# Allegro board POWERBOARD_V1_11_20240516.brd (continued)
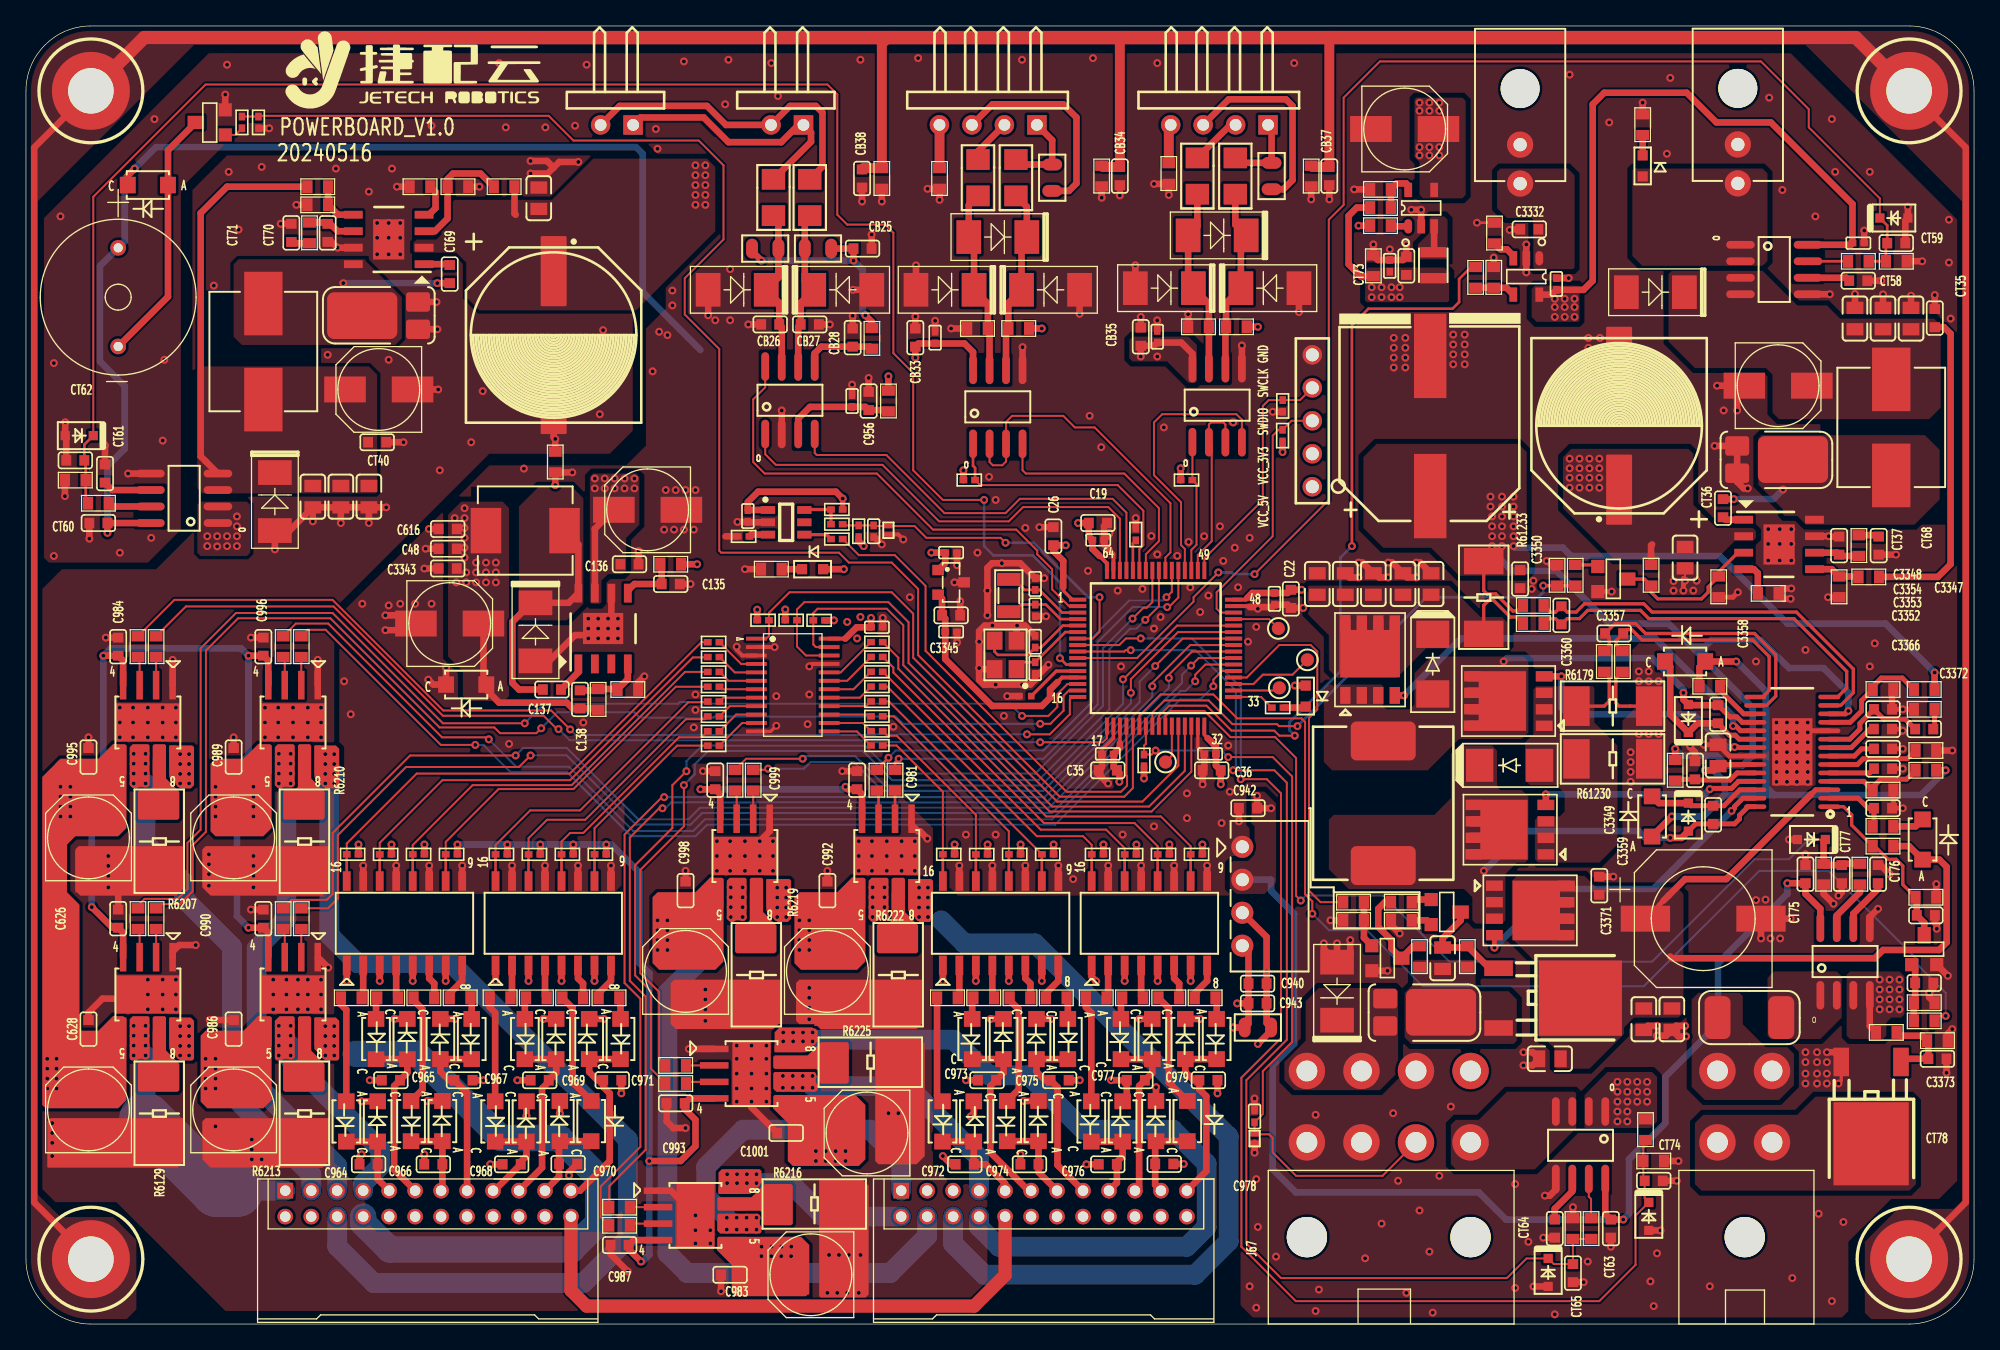
[diagram p0: board, top side]
## Routing (per net, layer and track width the routed paths; a pad name or vN(x,y) marks a point on that pad's centre or on a via; arc(x,y) is an arc through that point) (continued)
RS485_RXD1: length 10.2
  TOP w0.152: U3119.51 89.73,59.63 90.13,60.03 90.13,64.7 DT75.2 UT114.1
RS485_TXD0: length 19
  TOP w0.152: U3119.58 86.23,59.31 87.24,60.31 87.24,62.85 84.57,65.52 76.99,65.52 76.73,65.77 UT44.4
RS485_TXD1: length 21.3
  TOP w0.152: UT114.4 93.63,69.67 93.21,70.09 87.49,70.09 86.86,69.46 86.86,65.39 88.94,63.31 88.94,60.01 89.23,59.71 U3119.52
SCL: length 48.7
  TOP w0.152: U3119.29 89.23,42.62 86.48,39.87 79.02,39.87 67.96,50.93 67.96,54.06 66.41,55.61 59.93,55.61 59.37,55.05 RT172.2 59.37,52.19 60.06,51.5 UT25.22
SDA: length 46
  TOP w0.152: U3119.30 89.73,42.55 86.67,39.48 78.83,39.48 67.55,50.76 67.55,53.84 66.28,55.11 60.95,55.11 60.62,54.77 RT173.2 60.62,52.35 60.82,52.15 UT25.23
SWCLK: length 18.9
  TOP w0.152: J71.4 98.1,71.18 R61217.1 95.69,71.18 95.24,70.73 95.24,63.49 90.73,58.98 U3119.49
SWDIO: length 20.1
  TOP w0.152: J71.3 97.45,69.58 R6128.2 96.46,68.89 96,68.44 96,60.69 91.68,56.38 91.68,55.11 91.98,54.81 U3119.46
V_SYSTEM: length 15.1
  TOP w0.508: U3161.4 141.97,22.96 142.44,22.49 DT84.1 ; R807.1 125.13,59.98 125.21,60.06 ; R69.1 v1(51.68,58.53) ; 37.71,85.46 37.62,85.55 R6230.1 ; U3154.7 43.8,61.26 C611.1
  vias: v1(43.8,65.14) v1(43.8,64.38) v1(44.57,65.14) v1(44.57,64.38) v1(45.33,65.14) v1(45.33,64.38) v1(46.09,65.14) v1(46.09,64.38) v1(46.85,65.14) v1(46.85,64.38) v1(51.55,89.27) v1(51.55,88.51) v1(51.55,87.74) v1(51.55,86.98) v1(51.55,86.22) v1(52.31,89.27) v1(52.31,88.51) v1(52.31,87.74) v1(52.31,86.98) v1(52.31,86.22) v1(118.86,66.66) v1(118.86,65.93) v1(118.86,65.19) v1(118.86,64.43) v1(119.62,66.66) v1(119.62,65.93) v1(119.62,65.19) v1(119.62,64.43) v1(120.38,66.66) v1(120.38,65.93) v1(120.38,65.19) v1(120.38,64.43) v1(121.15,66.66) v1(121.15,65.93) v1(121.15,65.19) v1(121.15,64.43) v1(122.54,18.66) v1(122.54,17.89) v1(122.54,17.13) v1(122.54,16.37) v1(122.54,15.61) v1(123.31,18.66) v1(123.31,17.89) v1(123.31,17.13) v1(123.31,16.37) v1(123.31,15.61) v1(124.07,18.66) v1(124.07,17.89) v1(124.07,17.13) v1(124.83,18.66) v1(124.83,17.89) v1(124.83,17.13) v1(142.74,26.53) v1(142.74,25.77) v1(142.74,25.01) v1(142.74,24.24) v1(143.5,26.53) v1(143.5,25.77) v1(143.5,25.01) v1(143.5,24.24) v1(144.26,26.53) v1(144.26,25.77) v1(144.26,25.01) v1(144.26,24.24)
VB: length 49.7
  TOP w0.381: U3156.23 130.42,43.11 C3355.1
  TOP w0.508: R61225.2 128.85,50.6 D837.2 v1(131.69,51.04) ; v1(126.73,39.1) 125.21,37.58 D838.2 ; C3355.1 129.97,42.66 v1(129.27,42.66) ; R61226.1 v1(147.82,42.66)
  BOTTOM w0.508: 134.61,40.75 134.1,41.26 133.97,41.26 ; 134.61,40.75 133.97,40.75 ; 134.61,40.75 145.91,40.75 v1(147.82,42.66) ; 133.97,41.26 133.97,48.76 v1(131.69,51.04) ; 133.97,41.26 133.97,40.75 ; 133.97,41.26 133.47,40.75 ; v1(126.73,39.1) 129.15,39.1 130.8,40.75 ; 133.97,40.75 133.47,40.75 ; 133.47,40.75 130.8,40.75 ; 130.8,40.75 130.8,41.77 129.91,42.66 v1(129.27,42.66)
VM_12V:
  vias: v1(1.64,20.43) v1(1.64,19.67) v1(1.64,18.91) v1(1.64,18.15) v1(2.35,20.43) v1(2.35,19.67) v1(2.35,18.91) v1(2.35,18.15) v1(2.66,41.39) v1(2.66,40.63) v1(2.66,39.87) v1(2.66,39.1) v1(3.42,41.39) v1(3.42,40.63) v1(3.42,39.87) v1(3.42,39.1) v1(13.83,20.43) v1(13.83,19.67) v1(13.83,18.91) v1(13.83,18.15) v1(13.96,60.69) v1(13.96,59.93) v1(14.59,41.39) v1(14.59,40.63) v1(14.59,39.87) v1(14.59,39.1) v1(14.59,20.43) v1(14.59,19.67) v1(14.59,18.91) v1(14.59,18.15) v1(14.72,60.69) v1(14.72,59.91) v1(15.48,60.69) v1(15.48,59.93) v1(16.24,62.22) v1(16.24,61.46) v1(16.24,60.69) v1(16.24,59.93) v1(17.51,41.39) v1(17.51,40.63) v1(17.51,39.87) v1(17.51,39.1) v1(48.63,31.1) v1(48.63,30.34) v1(48.63,29.58) v1(48.63,28.82) v1(49.39,31.1) v1(49.39,30.34) v1(49.39,29.58) v1(49.39,28.82) v1(56.64,5.97) v1(56.63,5.23) v1(57.4,5.97) v1(57.39,5.23) v1(58.16,5.97) v1(58.15,5.23) v1(58.93,5.97) v1(58.92,5.23) v1(59.55,31.1) v1(59.55,30.34) v1(59.55,29.58) v1(59.55,28.82) v1(60.31,31.1) v1(60.31,30.34) v1(60.31,29.58) v1(60.31,28.82) v1(60.82,13.32) v1(60.82,12.56) v1(61.58,13.32) v1(61.58,12.56) v1(62.35,13.32) v1(62.35,12.56) v1(63.11,13.32) v1(63.11,12.56)
VM_12V_B: length 29.7
  TOP w0.508: U3132.4 13.45,66.85 13.45,85.59 15.48,87.62 R6231.1
VSYSTEM_PWR+: length 99.3
  TOP w0.254: R61231.1 114.84,54.93 114.48,54.93 113.17,56.25 112.5,56.25 112.25,56.5 R61233.1
  TOP w0.381: U3156.12 140.1,47.01 v1(140.32,47.23)
  TOP w0.508: R61223.1 v1(126.99,44.31) ; R61222.1 v1(146.97,50.19)
  BOTTOM w0.508: 129.27,52.18 129.78,52.69 133.59,52.69 135.75,50.53 138.42,50.53 140.32,48.63 v1(140.32,47.23) ; 129.27,52.18 128.77,51.68 ; 129.27,52.18 129.27,51.17 ; 129.27,52.18 128.26,52.18 ; 128.77,51.68 129.27,51.17 ; 128.77,51.68 128.26,52.18 ; 128.26,52.18 126.48,53.96 121.91,53.96 117.84,58.03 114.42,58.03 113.27,59.17 113.27,59.55 v1(112.89,59.93) ; 129.27,51.17 132.96,47.49 132.96,43.8 132.2,43.04 130.93,43.04 130.19,43.78 127.52,43.78 v1(126.99,44.31) ; v1(114.54,59.93) 114.67,59.8 118.35,59.8 118.99,59.17 130.42,59.17 135.62,53.96 143.19,53.96 v1(146.97,50.19)
  vias: v1(112.76,63.74) v1(112.76,62.98) v1(112.89,62.22) v1(112.89,61.46) v1(112.89,60.69) v1(113.65,63.74) v1(113.65,62.98) v1(113.65,62.22) v1(113.65,61.46) v1(113.65,60.69) v1(113.65,59.93) v1(114.54,63.74) v1(114.54,62.98) v1(114.54,62.22) v1(114.54,61.46) v1(114.54,60.69)
WDI: length 37.7
  TOP w0.152: U3119.20 84.73,42.27 84.78,42.21 84.78,41.48 84.32,41.01 80.13,41.01 69.27,51.87 69.27,56.87 66.9,59.23 64.13,59.23 RT84.2
N17288920: length 3.6
  TOP w0.508: U3056.5 139.05,58.15 R343.1 141.06,57.59 R342.2
N17289153: length 4.9
  TOP w0.508: CT36.2 v1(131.5,63.55)
  BOTTOM w0.508: v1(135.29,64.29) 134.56,63.55 v1(131.5,63.55)
N17497757: length 2.8
  TOP w0.508: U3056.4 133.04,58.15 133.35,57.85 R806.1
N17497846: length 1.7
  TOP w0.508: CT36.1 130.86,61.96 132.26,61.96
N17497908: length 3.5
  TOP w0.508: 137.71,59.42 139.46,59.42 CT37.1 139.71,59.17 R6228.1
N17498114: length 11.8
  TOP w0.254: 132.26,59.42 131.81,59.42 130.34,57.95 R6229.1 129.53,56.78 129.53,56.38 129.02,55.87 125.64,55.87 125.13,56.38 R807.2 124.62,57.39 Q11.3
N17582853: length 18.5
  TOP w0.508: C137.2 37.96,48.88 37.45,49.39 37.45,54.09 38.93,55.56 D832.1 41.79,55.56 U3154.8 42.53,60.06 L3.1
N17582911: length 5.2
  TOP w0.508: U3154.4 46.34,49.68 R68.1 45.5,48.92 R71.2 43.95,48.82 C138.2
N17582985: length 4.6
  TOP w0.508: U3154.5 46.34,56.5 46.85,57.01 C135.1 48.95,58.43 R69.2
N17722812: length 3.6
  TOP w0.508: U3107.7 10.02,19.26 R6129.1
N17722891: length 2.2
  TOP w0.152: U3107.2 R6130.2
N17722916: length 2.2
  TOP w0.152: R6131.2 8.75,30.3 U3107.3
N17752960: length 16.7
  TOP w0.508: v1(64.63,77.71) 65.14,77.2 DB49.2 ; R6168.2 55.91,82.65 v1(56.63,81.93) ; R6169.2 CB25.1 v1(63.72,81.93)
  BOTTOM w0.508: v1(64.63,77.71) 64.44,77.91 64.44,81.21 v1(63.72,81.93) v1(56.63,81.93)
N17752964: length 12.7
  TOP w0.508: U3118.7 58.19,76.82 CB26.1 58,78.67 UT118.1 57.94,80.61 R6168.1 57.94,85.01 UB13.1
N17753021: length 12.6
  TOP w0.508: UB14.1 59.97,85.01 R6169.1 59.97,80.36 UT119.1 59.65,78.67 CB27.1 59.46,76.82 U3118.6
N17753463: length 8.6
  TOP w0.508: U3118.3 59.46,69.75 60.37,70.65 CB24.1 64.64,70.65 C956.1 66.31,70.41 DB51.2
N17754967: length 5.7
  TOP w0.508: DB49.1 64.98,75.29 CB28.1 61.24,75.29 60.73,74.79 U3118.5
N17767690: length 3.2
  TOP w0.254: RT71.1 RT72.2 59.97,62.75 UT22.6
N17767719: length 1.5
  TOP w0.508: UT22.3 55.84,60.81 RT85.1
N17767723: length 2.2
  TOP w0.254: UT22.4 61.65,60.81 RT84.1
N17785104: length 2.4
  TOP w0.203: U3119.60 85.23,60.15 R35.1
N17785289: length 6.4
  TOP w0.203: U3119.3 79.79,54.81 78.04,56.56 C23.1 76.89,56.56 76.08,57.37 Y1.2
N17785413: length 6
  TOP w0.203: U3119.4 79.65,54.31 78.53,55.43 C25.1 76.64,55.43 76.08,54.87 Y1.1
N17785451: length 3.7
  TOP w0.152: TP37.1 95.72,54.31 U3119.45
N17785458: length 8.3
  TOP w0.203: U3119.5 79.84,53.81 78.15,52.11 C27.1 77.14,51.55 74.83,51.55 74.58,51.8 U16.3
N17785469: length 5.9
  TOP w0.203: U3119.6 80.03,53.31 C31.2 76.81,50.99 U16.1
N17785612: length 6.5
  TOP w0.152: TP35.1 97.52,50.03 95.24,50.03 94.52,49.31 U3119.35
N17785630: length 3.6
  TOP w0.152: TP34.1 96.31,48.81 U3119.34
N17785649: length 3.3
  TOP w0.152: R6243.2 95.11,48.31 U3119.33
N17785694: length 3
  TOP w0.152: U3119.27 88.23,43.78 TP38.1
N17789474: length 8.1
  TOP w0.508: D816.2 24.67,24.2 24.25,24.62 RT138.1
N17789476: length 2.5
  TOP w0.508: RT138.2 25.97,25.25 U61.2
N17789610: length 1.7
  TOP w0.508: D817.2 26.95,25.04 RT139.1
N17789612: length 2.5
  TOP w0.508: U61.4 28.51,25.27 RT139.2
N17789746: length 8.6
  TOP w0.508: D818.2 30.54,18.07 30.54,24.24 29.84,24.95 RT140.1
N17789748: length 2.7
  TOP w0.508: RT140.2 31.44,26.24 31.05,26.63 U61.6
N17789847: length 1.7
  TOP w0.508: D819.2 34.32,25.04 RT141.1
N17789849: length 2.9
  TOP w0.508: U61.8 33.59,26.43 32.63,25.48 RT141.2
N17789893: length 3.5
  TOP w0.152: RT142.1 55.07,50.85 UT25.4
N17790019: length 3.3
  TOP w0.152: RT143.1 54.58,50.2 UT25.5
N17790046: length 3.1
  TOP w0.152: RT144.1 54.08,49.55 UT25.6
N17790072: length 2.9
  TOP w0.152: UT25.7 53.59,48.9 RT145.1
N17790099: length 3
  TOP w0.152: UT25.8 53.7,48.25 RT146.1
N17790120: length 3.2
  TOP w0.152: UT25.9 54.19,47.6 RT147.1
N17790141: length 3.4
  TOP w0.152: UT25.10 54.68,46.95 RT148.1
N17790162: length 3.6
  TOP w0.152: UT25.11 55.14,46.3 RT149.1
N17790183: length 3.7
  TOP w0.152: UT25.13 63.99,45.65 RT150.1
N17790204: length 3.5
  TOP w0.152: RT151.1 64.44,46.3 UT25.14
N17790225: length 3.3
  TOP w0.152: RT152.1 64.93,46.95 UT25.15
N17790246: length 3.4
  TOP w0.152: RT153.1 64.71,47.6 UT25.16
N17790267: length 3.6
  TOP w0.152: RT154.1 64.21,48.25 UT25.17
N17790288: length 3.8
  TOP w0.152: RT155.1 63.72,48.9 UT25.18
N17790313: length 4
  TOP w0.152: RT156.1 63.23,49.55 UT25.19
N17790353: length 4.2
  TOP w0.152: UT25.20 62.74,50.2 RT157.1
N17791056: length 8.1
  TOP w0.508: D820.2 36.13,23.99 35.71,24.41 RT158.1
N17791058: length 2.5
  TOP w0.508: U3151.2 37.43,25.25 RT158.2
N17791159: length 1.7
  TOP w0.508: RT159.1 38.41,25.04 D821.2
N17791161: length 2.5
  TOP w0.508: RT159.2 39.97,25.27 U3151.4
N17791262: length 8.9
  TOP w0.508: RT160.1 42.1,24.33 42.1,18.61 D822.2
N17791264: length 2.7
  TOP w0.508: U3151.6 42.51,26.63 42.9,26.24 RT160.2
N17791365: length 1.7
  TOP w0.508: RT161.1 45.78,25.04 D823.2
N17791367: length 2.9
  TOP w0.508: U3151.8 45.05,26.43 44.09,25.48 RT161.2
N17791726: length 2.5
  TOP w0.508: U3152.2 71.87,25.25 RT162.2
N17791827: length 1.7
  TOP w0.508: D825.2 72.86,25.04 RT163.1
N17791829: length 2.5
  TOP w0.508: RT163.2 74.41,25.27 U3152.4
N17791930: length 8.6
  TOP w0.508: RT164.1 75.74,24.95 76.44,24.24 76.44,18.07 D826.2
N17791932: length 2.7
  TOP w0.508: RT164.2 77.34,26.24 76.95,26.63 U3152.6
N17792033: length 1.7
  TOP w0.508: RT165.1 80.22,25.04 D827.2
N17792035: length 2.9
  TOP w0.508: U3152.8 79.49,26.43 78.53,25.48 RT165.2
N17792465: length 8.1
  TOP w0.508: RT166.1 81.61,24.41 82.03,23.99 D828.2
N17792467: length 2.5
  TOP w0.508: U3153.2 83.33,25.25 RT166.2
N17792568: length 1.7
  TOP w0.508: RT167.1 84.32,25.04 D829.2
N17792570: length 2.5
  TOP w0.508: U3153.4 85.87,25.27 RT167.2
N17792671: length 8.9
  TOP w0.508: RT168.1 88,24.33 88,18.61 D830.2
N17792673: length 2.7
  TOP w0.508: RT168.2 88.8,26.24 88.41,26.63 U3153.6
N17792776: length 2.9
  TOP w0.508: U3153.8 90.95,26.43 89.99,25.48 RT169.2
N17805070: length 3.3
  TOP w0.508: CT58.1 140.16,80.6 U3148.6
N17805232: length 3.1
  TOP w0.203: U3148.7 R6199.1
N17808368: length 3.3
  TOP w0.508: R6201.1 6.63,62.98 U3132.7
N17808418: length 3.7
  TOP w0.508: CT61.1 6.66,64.25 U3132.6
N17810117: length 3.1
  TOP w0.152: U3149.7 120.34,9.81 120.51,9.64 R6203.1
N17810173: length 3.7
  TOP w0.508: U3149.6 119.07,10.23 117.72,8.88 CT64.1
N17813079: length 2.2
  TOP w0.152: U3134.2 R6205.2
N17813081: length 3.6
  TOP w0.508: R6207.1 10.27,39.97 10.02,40.22 U3134.7
N17813105: length 2.2
  TOP w0.152: U3134.3 8.75,51.26 R6206.2
N17813295: length 2.2
  TOP w0.152: U3135.2 R6208.2
N17813297: length 3.6
  TOP w0.508: R6210.1 21.44,39.97 21.2,40.22 U3135.7
N17813321: length 2.2
  TOP w0.152: U3135.3 19.93,51.26 R6209.2
N17813532: length 2.2
  TOP w0.152: U3136.2 R6211.2
N17813534: length 3.6
  TOP w0.508: U3136.7 21.2,19.26 R6213.1
N17813558: length 2.2
  TOP w0.152: R6212.2 19.93,30.3 U3136.3
N17813789: length 2.2
  TOP w0.152: U3137.2 R6214.2
N17813791: length 3.6
  TOP w0.508: U3137.7 57.68,9 R6216.1
N17813815: length 2.2
  TOP w0.152: R6215.2 46.64,7.73 U3137.3
N17814068: length 2.2
  TOP w0.152: U3138.2 R6217.2
N17814070: length 3.6
  TOP w0.508: R6219.1 56,29.93 U3138.7
N17814094: length 2.2
  TOP w0.152: U3138.3 54.73,40.97 R6218.2
N17814367: length 2.2
  TOP w0.203: U3139.2 R6220.2
N17814369: length 3.6
  TOP w0.508: R6222.1 66.92,29.93 U3139.7
N17814393: length 2.2
  TOP w0.203: R6221.2 65.65,40.97 U3139.3
N17814689: length 2.2
  TOP w0.152: U3140.2 R6223.2
N17814691: length 3.6
  TOP w0.508: R6225.1 61.99,19.93 U3140.7
N17814715: length 2.2
  TOP w0.152: U3140.3 50.95,18.66 R6224.2
N17815777: length 18.2
  TOP w0.305: 79.43,49.45 79.78,49.81 U3119.13
  TOP w0.508: U3155.2 70.54,55.89 C3345.1 70.78,54.35 C3346.1 70.78,51.23 74.4,47.61 78.22,47.61 78.86,48.25 78.86,48.88 79.43,49.45
N17818210: length 1.8
  TOP w0.254: Q11.1 120.9,58.48 DT70.2
N17832147: length 2
  TOP w0.508: R6227.1 113.53,82.79 114.03,82.79 114.52,82.3 U3018.3
N17832174: length 3.1
  TOP w0.508: R6226.1 R61218.1 113.99,79.83 U3018.4
N17849896: length 1.6
  TOP w0.508: R6228.2 142.56,60.77 CT68.1
N17856101: length 2
  TOP w0.508: CT69.1 32.56,81.65 U3146.1
N17856105: length 8.2
  TOP w0.508: CT69.2 v1(31.67,80.19)
  BOTTOM w0.508: v1(31.67,80.19) v1(24.44,80.19)
N17856202: length 9.4
  TOP w0.508: U3146.3 31.48,84.19 32.46,85.17 R6233.1 32.46,88.21 32.88,88.63 35,88.63 R6230.2
N17856265: length 3.7
  TOP w0.508: U3146.6 23.99,84.19 23.42,84.76 CT70.1 23.13,84.86 R6232.1
N17856271: length 1.4
  TOP w0.508: R6232.2 20.54,83.26 CT71.1
N17856290: length 3.6
  TOP w0.508: U3146.5 24.03,85.46 R6235.1 R6231.2
N17856294: length 2.9
  TOP w0.508: R6234.1 31.54,87.22 31.54,85.97 31.03,85.46 U3146.4
N17865409: length 8.1
  TOP w0.508: RT162.1 70.15,17.58 D824.2
N17865617: length 1.7
  TOP w0.508: RT169.1 91.68,25.04 D831.2
N17870209: length 14.4
  TOP w0.508: UB11.1 77.06,86.07 UT113.1 76.66,83.33 UT52.1 75.64,78.66 DT47.2 75.46,76.52 UT44.6
N17870224: length 14.4
  TOP w0.508: UT44.7 74.19,76.57 DT46.1 74.07,78.61 UT112.1 73,83.33 UT113.2 72.59,86.2 UB12.1
N17870847: length 14.4
  TOP w0.508: UB15.1 93.12,84.7 UT115.1 93.55,83.46 UT117.1 92.41,78.66 DT76.2 92.36,76.77 UT114.6
N17870890: length 14.4
  TOP w0.508: UB16.1 90.2,84.58 UT115.2 89.49,80.21 UT116.1 91.09,78.61 DT78.1 UT114.7
N17903718: length 2.5
  TOP w0.508: U3154.1 42.53,50.22 C137.1
N17906431: length 2
  TOP w0.508: L7.1 108.43,82.63 U7.3
N17906467: length 1.4
  TOP w0.508: R6239.2 105.15,84.57 U7.1
N17906521: length 3.3
  TOP w0.508: U7.5 106.43,87.71 106.27,87.87 105.55,87.87 105.1,87.42 R6241.1 R6240.2
N17947679: length 1.5
  TOP w0.152: R6170.2 16.12,91.6 Q12.1
N17954483: length 1.7
  TOP w0.508: D833.1 98.46,47.49 R6243.1
N17975796: length 4.4
  TOP w0.254: U3119.12 79.34,50.31 FB1.2
N18034986: length 8.5
  TOP w0.381: C3347.1 144.71,46.6 143.05,46.6 C3348.1 141.21,46.28 141.21,45.83 140.43,45.06 U3156.9
N18034989: length 1.6
  TOP w0.381: C3347.2 146.97,45.94 R61220.1
N18035348: length 8.9
  TOP w0.381: R61222.2 144.48,49.77 142.86,49.77 142.19,49.1 R61221.1 141.34,48.03 141.34,47.23 140.46,46.36 U3156.11
N18035491: length 6.5
  TOP w0.381: R61223.2 127.09,41.96 C3349.1 128.57,41.91 131.21,41.91 131.76,42.46 U3156.24
N18035717: length 3.6
  TOP w0.381: U3156.5 141.96,42.46 C3352.1
N18035828: length 3.7
  TOP w0.381: U3156.7 140.79,43.76 141.34,44.31 C3353.1
N18035888: length 4
  TOP w0.381: U3156.8 140.55,44.41 141.98,45.84 C3354.1
N18036234: length 7.1
  TOP w0.381: U3156.6 141.02,43.11 141.47,43.55 144.86,43.55 R61224.1
N18036340: length 3.8
  TOP w0.381: U3156.17 132.26,47.01 130.46,48.81 R61225.1
N18036363: length 7.7
  TOP w0.381: U3156.4 141.52,41.81 R61227.1 142.19,41.35 142.81,41.97 144.81,41.97 R61226.2
N18041622: length 17.9
  TOP w0.254: U3156.15 133.72,48.31 134.23,48.81 134.23,51.42 132.96,52.69 124.45,52.69 123.64,53.5 123.28,53.5 C3357.1 122.46,52.67 122.46,52.31 R61228.2
N18041627: length 21.2
  TOP w0.254: R61229.2 121.91,52.22 121.91,52.88 C3357.2 122.35,53.96 123.94,53.96 124.7,53.2 133.09,53.2 134.74,51.56 134.74,48.37 134.02,47.66 U3156.16
N18041825: length 5.1
  TOP w0.254: R6179.1 121.53,47.6 121.91,47.98 121.91,49.86 R61229.1
N18041939: length 19.9
  TOP w0.381: U3156.21 131.85,44.41 131.8,44.45 v1(131.56,44.45)
  TOP w0.508: U3157.4 v1(118.23,49.9)
  BOTTOM w0.508: v1(118.23,49.9) 118.23,47.49 118.73,46.98 128.39,46.98 130.91,44.45 v1(131.56,44.45)
N18042212: length 12.2
  TOP w0.381: U3156.20 131.92,45.06 131.61,45.36 131.17,45.36 130.61,45.92 130.61,45.96 C3358.2
  TOP w0.508: D837.1 126.61,50.63 126.61,46.96 VD2.1 128.72,46.28 C3358.2
N18042231: length 17.4
  TOP w0.381: v1(129.66,41.21) 129.71,41.26 131.32,41.26 131.86,41.81 U3156.25
  TOP w0.508: U3158.4 v1(117.03,40.8)
  BOTTOM w0.508: v1(129.66,41.21) 129.25,40.8 v1(117.03,40.8)
N18042240: length 22
  TOP w0.381: U3156.18 132.15,46.36 131.74,46.77 131.2,46.77 C3358.1
  TOP w0.508: v1(127.62,48.63) 127.62,48.11 VD2.2 128.06,47.68 C3358.1
  BOTTOM w0.508: v1(113.78,51.04) 114.03,51.3 125.21,51.3 127.62,48.88 v1(127.62,48.63)
N18042684: length 23.5
  TOP w0.381: VD3.2 128.56,38.53 C3359.1 131.56,38.53 131.94,38.91 131.94,39.19 132.61,39.86 U3156.28
  TOP w0.508: VD3.2 127.48,37.45 v1(126.61,37.45)
  BOTTOM w0.508: v1(112.26,34.91) 115.32,37.97 124.18,37.97 124.7,37.45 v1(126.61,37.45)
N18042722: length 8.8
  TOP w0.381: VD3.1 128.21,39.93 C3359.2 130.74,39.93 131.97,41.16 U3156.26
  TOP w0.508: D838.1 125.73,40.13 VD3.1
N18043046: length 25.9
  TOP w0.381: U3159.4 v1(113.07,28.99) ; v1(131.33,39.53) 131.56,39.76 131.56,39.87 132.2,40.51 U3156.27
  BOTTOM w0.508: v1(113.07,28.99) 117.59,33.52 125.32,33.52 v1(131.33,39.53)
N18043158: length 49.3
  TOP w0.381: U3156.3 137.8,41.16 137.47,40.82 ; 125.72,32.25 126.1,32.63
  TOP w0.508: 126.61,28.31 126.73,28.18 142.36,28.18 142.99,28.82 147.31,28.82 147.89,29.4 147.89,35.22 147.33,35.78 D841.2 145,36.82 R61234.1 ; 137.47,40.82 130.93,34.28 127.75,34.28 126.1,32.63
N18043231: length 33
  TOP w0.381: v1(131.45,46.07) 131.66,46.07 132.02,45.71 U3156.19
  TOP w0.508: U3160.4 v1(106.11,48.42)
  BOTTOM w0.508: v1(106.11,48.42) 110.5,52.82 125.46,52.82 131.45,46.84 v1(131.45,46.07)
N18043402: length 30.9
  TOP w0.254: U3156.13 139.73,47.66 140.7,48.63 140.7,50.47 136.32,54.85 125.21,54.85 124.58,55.49 120,55.49 119.37,54.85 118.67,54.85 C3360.1 117.76,54.83 117.4,54.83 R61231.2
N18043424: length 29
  TOP w0.254: U3156.14 139.49,48.31 140.2,49.01 140.2,50.28 136.13,54.34 124.96,54.34 124.32,54.98 120.26,54.98 119.62,54.34 118.67,54.34 C3360.2 117.78,54.34 117.25,54.34 R61232.2
N18043426: length 6.1
  TOP w0.254: R61233.2 112.25,55.37 112.64,55.76 113,55.76 114.29,54.47 114.76,54.47 R61232.1
N18043814: length 2.5
  TOP w0.508: R61236.1 145.5,38.34 D841.1
N18045091: length 5.2
  TOP w0.381: R61236.2 142.29,38.44 C3366.1 141.85,39.74 141.08,40.51 U3156.2
N18046306: length 14
  TOP w0.254: U3156.1 139.95,39.86 140.58,39.23 140.58,38.43 R61234.2 142.36,36.82 143.37,35.8 144.01,35.8 144.51,35.29 144.51,33.86 R61235.1
  TOP w0.508: R61235.1 145.59,32.78 C3372.1 146.17,30.91 Q13.3
N18051649: length 4.1
  TOP w0.508: U3161.7 139.43,31.48 141.21,33.26 R61237.1
N18051707: length 4.2
  TOP w0.508: CT76.1 142.61,33.52 140.7,31.61 U3161.6
N18052554: length 6.2
  TOP w0.508: DT84.2 144.3,22.21 146,22.21 DT83.1 146.48,21.73 CT78.1 144.62,20.43 U3162.1
N18054344: length 4.5
  TOP w0.508: Q13.1 145.47,27.42 C3373.1 145.47,24.85 R61239.1 R61240.2
N18056299: length 8.4
  TOP w0.508: U3163.1 112.69,27.41 R61245.2 110.88,29.01 C3376.2 109.08,29.7 110.47,31.09 Q14.3
N18056316: length 1.6
  TOP w0.508: Q14.1 106.91,32.7 R61241.2
N18056336: length 1.6
  TOP w0.508: Q14.2 107.87,31.1 R61243.1
N18057217: length 7.5
  TOP w0.508: R61244.2 106.82,29.11 Q15.3 105.14,28.93 105.14,29.58 104.13,30.59 104.13,31.99 104.64,32.5 R61241.1
N18057230: length 3.6
  TOP w0.508: R61247.2 R61246.1 103.02,29.76 Q15.1
N179110980: length 1.6
  TOP w0.508: R6244.1 D834.1
N179116900: length 1.6
  TOP w0.508: D835.1 R6245.1

## Copper pours and planes (outline as drawn; the poured copper is in the pictures)
12VGND on TOP: 15.48,90.03 45.45,90.03 46.72,88.76 46.72,68.82 44.95,67.04 35.68,67.04 23.74,55.11 23.74,12.43 26.15,10.02 26.15,7.99 27.04,7.1 44.18,7.1 46.98,9.89 46.98,39.36 50.79,43.17 64.89,43.17 69.84,38.21 69.84,12.18 71.24,10.78 73.52,10.78 74.03,10.27 74.03,2.53 72.51,1 15.36,1 6.97,9.39 2.27,9.39 1.26,10.4 1.26,56.63 2.78,58.15 10.02,58.15 12.82,60.95 12.82,87.36 ; 8 cut-outs
12VGND on BOTTOM: 12.82,55.99 12.82,87.36 15.48,90.03 45.45,90.03 46.72,88.76 46.72,68.82 44.95,67.04 35.68,67.04 23.74,55.11 13.7,55.11
12VGND on BOTTOM: 15.48,90.03 45.45,90.03 46.72,88.76 46.72,68.82 44.95,67.04 35.68,67.04 23.74,55.11 23.74,12.43 26.15,10.02 26.15,7.99 27.04,7.1 44.18,7.1 46.98,9.89 46.98,36.69 47.23,36.94 51.68,36.94 52.69,37.96 69.58,37.96 69.84,37.71 69.84,12.18 71.24,10.78 73.52,10.78 74.03,10.27 74.03,2.53 72.51,1 15.36,1 6.97,9.39 2.27,9.39 1.26,10.4 1.26,56.63 2.78,58.15 10.02,58.15 12.82,60.95 12.82,87.36 ; 3 cut-outs
12VGND on GND02: 6.97,9.39 15.36,1 72.51,1 74.03,2.53 74.03,9.89 73.14,10.78 71.24,10.78 69.84,12.18 69.84,38.21 64.89,43.17 50.79,43.17 46.98,39.36 46.98,9.89 44.18,7.1 27.04,7.1 26.15,7.99 26.15,10.02 23.74,12.43 23.74,55.11 35.68,67.04 44.95,67.04 46.72,68.82 46.72,88.76 45.45,90.03 15.48,90.03 12.82,87.36 12.82,60.95 10.02,58.15 2.78,58.15 1.26,56.63 1.26,10.4 2.27,9.39
12VGND on POWER03: 15.48,90.03 45.45,90.03 46.72,88.76 46.72,68.82 44.95,67.04 35.68,67.04 32.63,64 13.7,64 12.82,64.88 12.82,87.36
GND on TOP: 14.09,97.9 135.88,97.9 148.71,85.08 148.71,11.04 147.31,9.64 143.63,9.64 140.32,6.34 140.32,1 139.83,0.51 94.46,0.51 93.52,1.45 93.52,19.23 96.76,22.47 96.76,31.36 95.11,33.01 71.74,33.01 70.47,34.28 70.47,39.48 66.28,43.68 49.52,43.68 46.09,40.25 46.09,34.02 45.2,33.13 24.63,33.13 24.12,33.64 24.12,54.6 35.68,66.15 46.22,66.15 47.74,67.68 47.74,76.7 49.26,78.22 49.26,89.52 47.74,91.05 15.48,91.05 11.93,87.49 11.93,61.2 9.39,58.66 1.77,58.66 1.39,59.04 1.39,85.2 ; 62 cut-outs
GND on BOTTOM: 14.09,97.9 135.88,97.9 148.71,85.08 148.71,11.04 147.31,9.64 143.63,9.64 140.32,6.34 140.32,1 139.83,0.51 94.46,0.51 93.52,1.45 93.52,19.23 96.76,22.47 96.76,31.36 95.11,33.01 71.74,33.01 70.47,34.28 70.47,39.48 66.28,43.68 49.52,43.68 46.09,40.25 46.09,34.02 45.2,33.13 24.63,33.13 24.12,33.64 24.12,54.6 35.68,66.15 46.22,66.15 47.74,67.68 47.74,76.7 49.26,78.22 49.26,89.52 47.74,91.05 15.48,91.05 11.93,87.49 11.93,61.2 9.39,58.66 1.77,58.66 1.39,59.04 1.39,85.2 ; 7 cut-outs
GND on GND02, POWER03: 139.83,0.51 94.46,0.51 93.52,1.45 93.52,19.23 96.76,22.47 96.76,31.36 95.11,33.01 71.74,33.01 70.47,34.28 70.47,39.48 66.28,43.68 49.52,43.68 46.09,40.25 46.09,34.02 45.2,33.13 24.63,33.13 24.12,33.64 24.12,54.6 35.68,66.15 46.22,66.15 47.74,67.68 47.74,76.7 49.26,78.22 49.26,89.52 47.74,91.05 15.48,91.05 11.93,87.49 11.93,61.2 9.39,58.66 1.77,58.66 1.39,59.04 1.39,85.2 14.09,97.9 135.88,97.9 148.71,85.08 148.71,11.04 147.31,9.64 143.63,9.64 140.32,6.34 140.32,1
GND_ISO on GND02: 26.6,10.66 26.6,7.99 26.98,7.61 43.04,7.61 46.7,11.26 46.7,27.67 45.93,28.44 25.39,28.44 24.37,27.42 24.37,12.89
GND_ISO on GND02: 70.22,27.04 70.22,12.69 71.24,11.67 73.65,11.67 74.66,10.66 74.66,7.1 74.92,6.85 92.32,6.85 92.44,6.97 92.44,18.66 96,22.21 96,31.36 94.73,32.63 92.57,32.63 91.68,31.74 91.68,29.2 90.92,28.44 71.62,28.44
PGND on TOP, BOTTOM, GND02, POWER03: 0.38,95 1.73,98.27 5,99.62 145,99.62 148.27,98.27 149.62,95 149.62,5 148.27,1.73 145,0.38 144.95,0.38 142.09,0.38 141.59,0.88 141.59,6.34 144.13,8.88 148.45,8.88 149.09,9.51 149.09,86.47 137.02,98.54 12.94,98.54 0.88,86.47 0.88,10.02 2.66,8.24 6.72,8.24 8.5,6.46 8.5,1.13 7.75,0.38 5,0.38 1.73,1.73 0.38,5
VCC_3V3 on TOP: 103.37,81.39 109.21,81.39 109.59,81.01 109.59,78.85 109.46,78.73 103.24,78.73 103.11,78.85 103.11,81.14
VCC_3V3 on TOP: 85.21,76.06 89.52,76.06 90.16,75.43 90.16,72.63 90.03,72.5 89.52,72.5 87.87,74.16 85.21,74.16 84.95,74.41 84.95,75.81
VCC_3V3 on BOTTOM: 45.33,36.06 25.9,36.06 25.26,36.69 25.26,37.58 27.93,40.25 27.93,49.26 26.91,50.28 5.7,50.28 5.45,50.53 5.45,51.3 6.59,52.44 53.2,52.44 56.12,55.36 65.14,55.36 65.65,54.85 65.65,50.91 63.87,49.14 35.68,49.14 33.14,46.6 33.14,43.17 37.83,38.47 44.57,38.47 45.45,37.58 45.45,36.18
VCC_3V3 on POWER03: 101.33,62.09 101.33,42.53 94.6,35.8 70.98,35.8 70.98,38.34 70.09,39.23 64.76,39.23 62.35,41.64 62.35,52.95 61.84,53.45 61.84,54.72 62.47,55.36 62.47,64 67.93,69.46 67.93,74.66 73.65,80.38 107.18,80.38 109.21,78.35 109.21,69.96
VCC_5V on TOP: 106.92,89.9 107.3,89.52 107.3,86.98 107.56,86.73 110.61,86.73 110.86,86.98 110.86,94.22 110.61,94.48 107.05,94.48 106.92,94.35
